# Altium PCB V1.PcbDoc
Units mm, origin at the board's own origin, x right, y up, seen from the top; angles counter-clockwise.
Board outline 95.29 x 70 mm, 2 copper layers (Top Layer, Bottom Layer); 21 components, 17 nets, 104 pads, 21 vias.
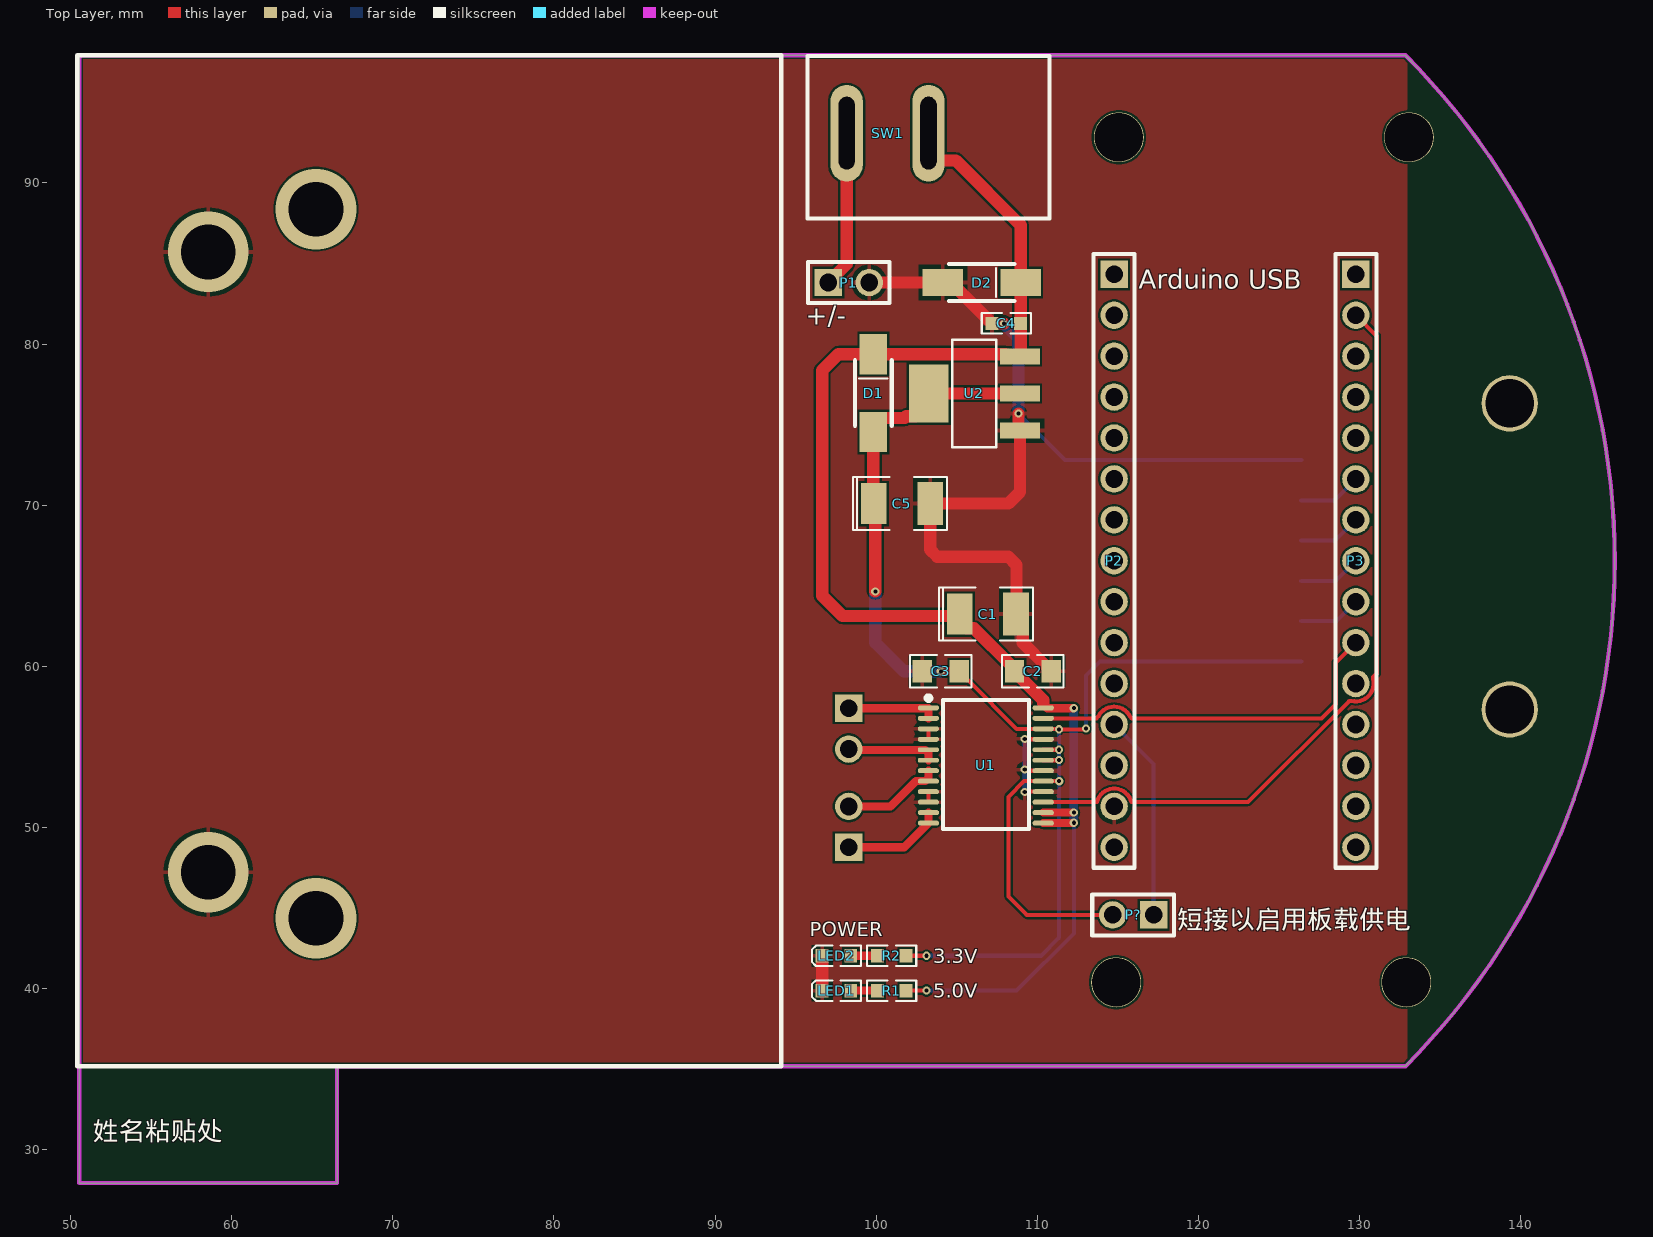
[diagram p0: Top Layer view]
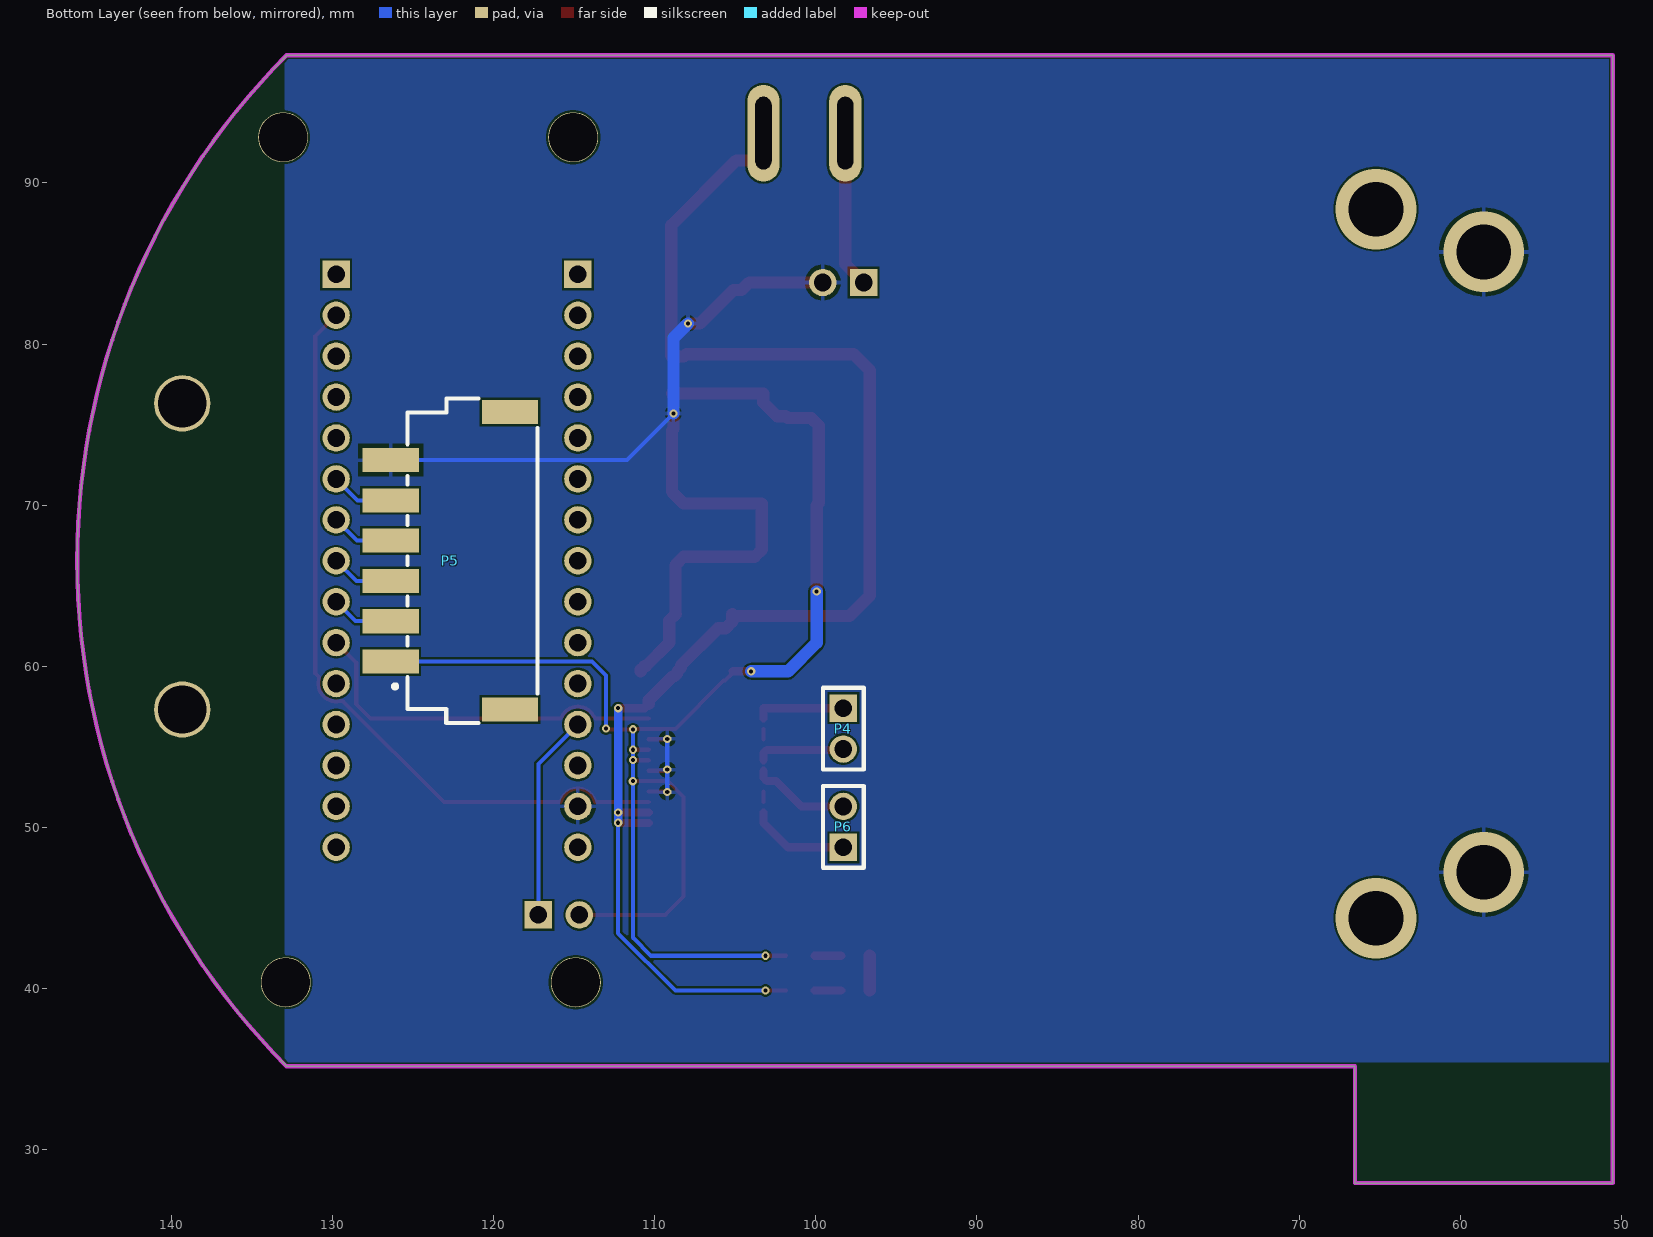
[diagram p1: Bottom Layer view, seen from below]
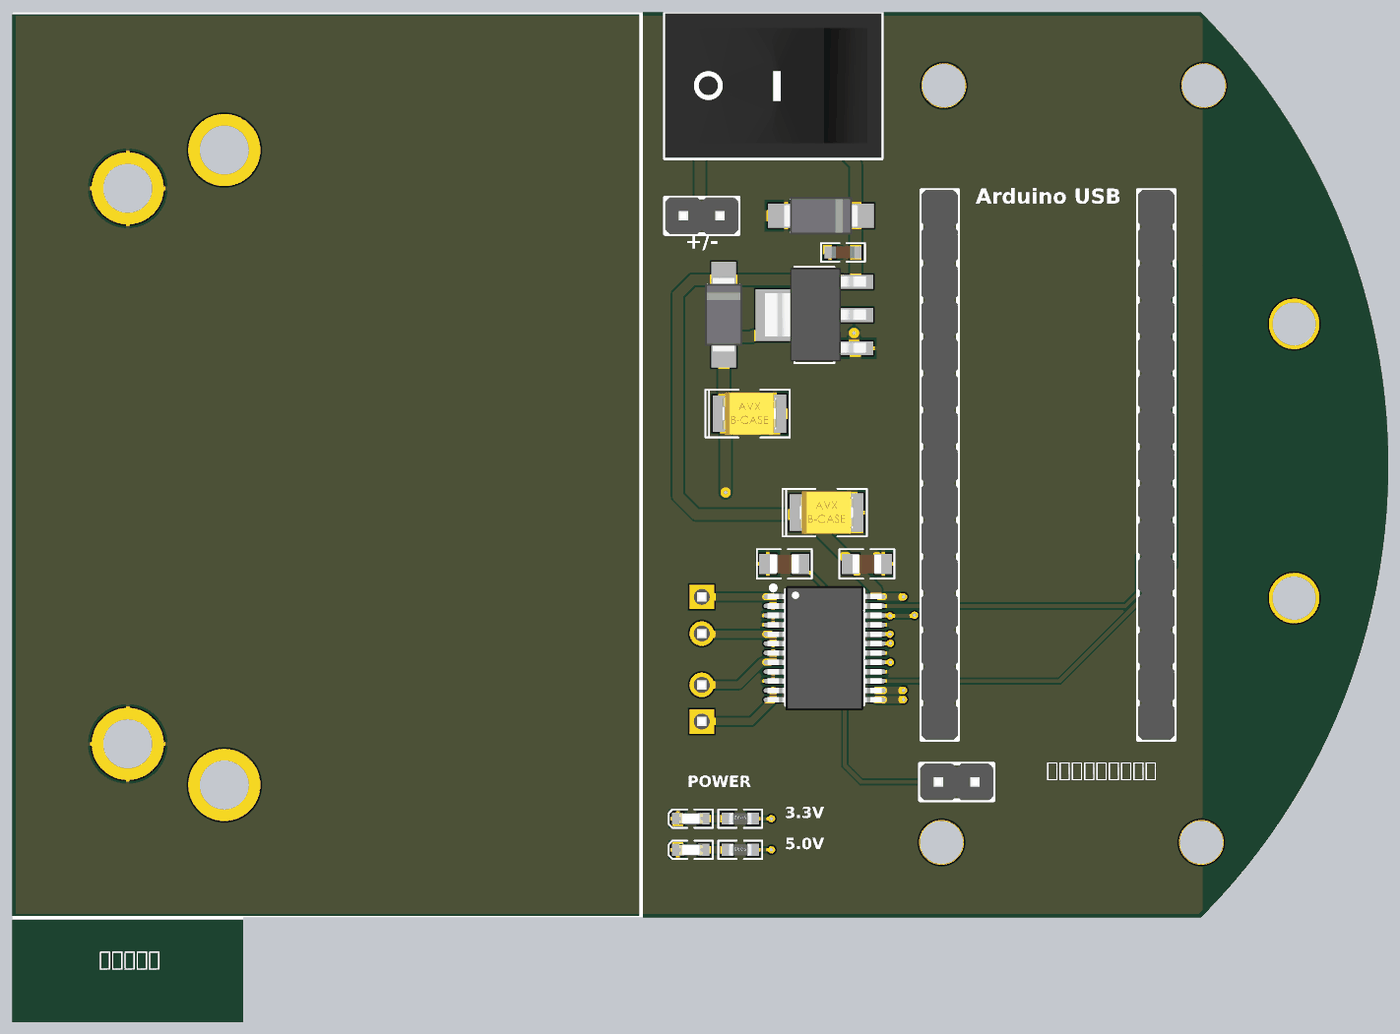
[diagram p2: 3D render of the assembled board from above, using the file's embedded part models]
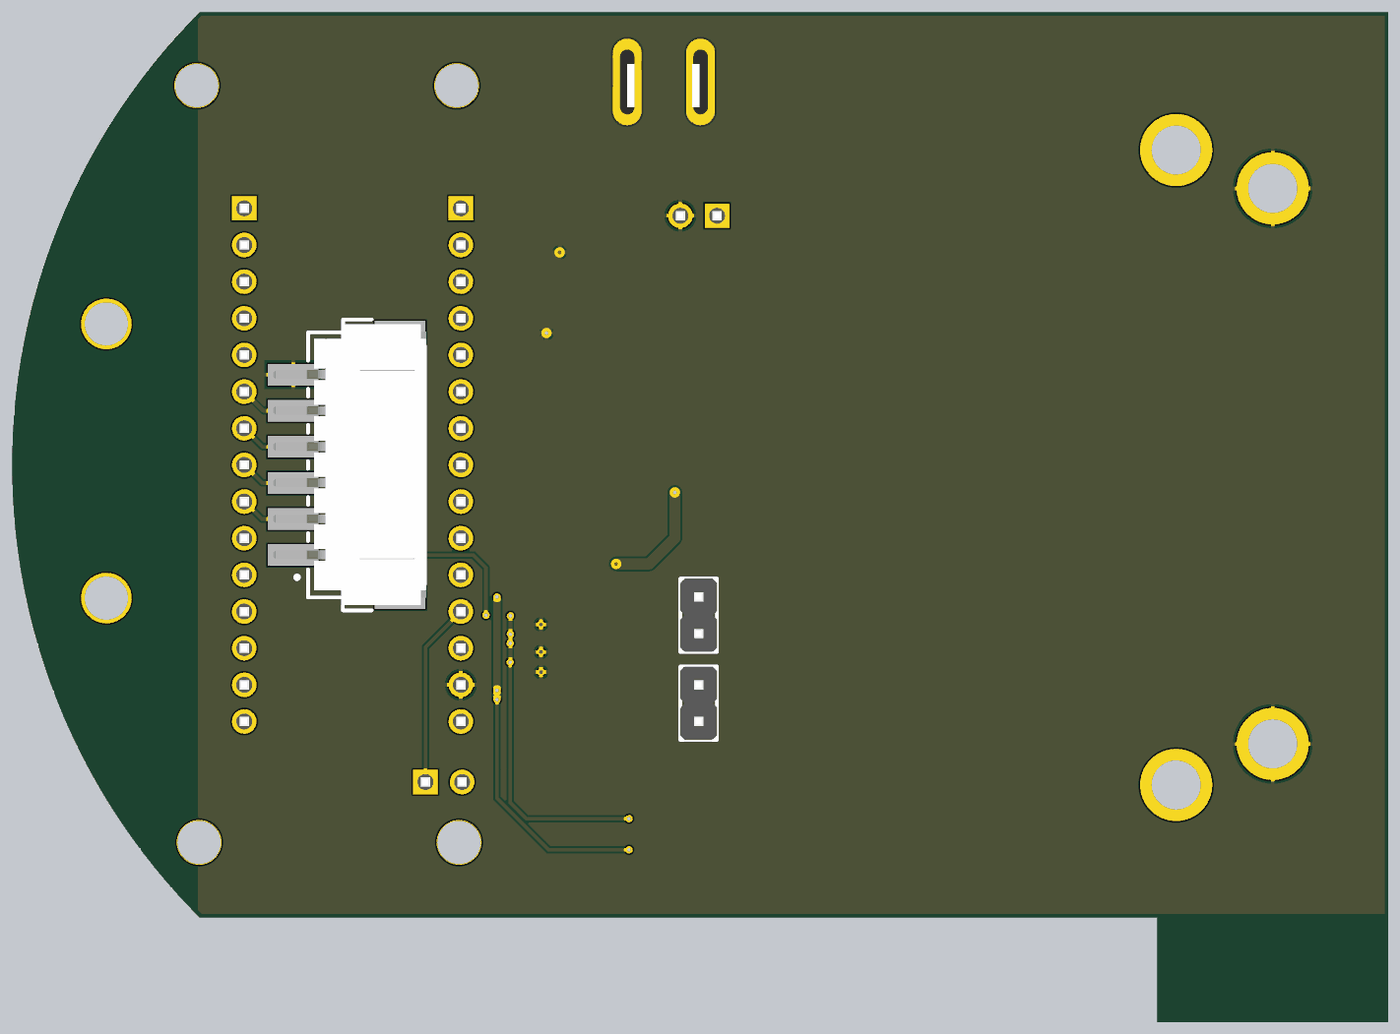
[diagram p3: 3D render of the assembled board from below, using the file's embedded part models]

## Layer stack, top to bottom
Top Solder: solder mask 0.0102, Solder Resist, Dk 3.5
Top Layer: signal copper 0.0356
Dielectric 1: dielectric 0.32, FR-4, Dk 4.8
Bottom Layer: signal copper 0.0356
Bottom Solder: solder mask 0.0102, Solder Resist, Dk 3.5

## Board outline
50.546,27.925 66.546,27.925 66.546,35.179 132.842,35.179 ccw(c101.469,66.552) 132.842,97.925 50.546,97.925

## Design rules (kind name [scope] priority, off if disabled: settings)
Clearance [All] p1: gap=0.127 ignorepadtopadclearanceinfootprint=FALSE
PolygonConnect [All] p1: connectstyle=Relief reliefconductorwidth=0.254 reliefentries=4 polygonreliefangle="90 Angle" airgapwidth=0.254
RoutingVias [All] p1: holewidth=0.254 width=0.508 viastyle="Through Hole" minholewidth=0.254 minwidth=0.508 maxholewidth=0.711 maxwidth=1.27
SolderMaskExpansion [All] p1: expansion=0.102 istentingtop=FALSE
Width [All] p1: maxlimit=0.762 minlimit=0.254 preferedwidth=0.254
30 further rules are at their usual default settings.

## Components (designator, comment, footprint, x,y, rotation, side; value= is the part's Value field where it differs from the comment)
C1 "10uF" 3528B/1210 106.934,63.246 r0 top
C2 "0.1uF" 0805C 109.728,59.69 r180 top
C3 "0.1uF" 0805C 104.013,59.69 r0 top
C4 "10uF" 0603C 108.077,81.28 r0 top
C5 "100uF" 3528B/1210 101.6,70.104 r0 top
D1 "SS34" SMA 99.822,76.962 r90 top
D2 "瞬态抑制二极管" SMA 106.553,83.82 r0 top
LED1 "LED" 0603D 97.536,39.878 r180 top
LED2 "LED" 0603D 97.536,42.037 r180 top
P1 "排针1*2" Pin-PB-M-1*2 98.298,83.82 r0 top
P2 "排母1*15" Pin-PB-F-1*15 114.769,66.552 r270 top
P3 "排母1*15" Pin-PB-F-1*15 129.769,66.552 r270 top
P4 "排针1*2" Pin-PB-M-1*2 98.298,56.134 r270 bottom
P5 "接插件1*6" XH2.54_AW_1*6 122.682,66.552 r90 bottom
P6 "排针1*2" Pin-PB-M-1*2 98.298,50.038 r90 bottom
P? "排针1*2" Pin-PB-M-1*2 115.951,44.577 r180 top
R1 "4K7" 0603R 100.965,39.878 r0 top
R2 "4K7" 0603R 100.965,42.037 r0 top
SW1 "开关" *SW-5.08mm 103.251,93.091 r0 top
U1 "TB6612" SSOP24 106.807,53.975 r0 top
U2 "AMS1117" SOT-223 106.172,76.962 r90 top

## Footprints (in the part's own frame and the unit in brackets; to place one, negate y for a bottom-side part, rotate by r counter-clockwise, add the part's x,y. Pads: shape width x height; smd on the part's side, far side on the other; paste and mask are expansions set on the pad)
0603C [mm] "0603锟斤拷装锟斤拷锟斤拷锟斤拷锟斤拷"
  rect 0.8x0.83 smd: 1(-0.889,0) 2(0.889,0)
  silkscreen extent -1.52,-0.64 1.52,0.64, body extent -0.8,-0.41 0.8,0.41, height 0.81
0603D [mm] "0603锟斤拷装锟斤拷LED锟斤拷"
  rect 0.8x0.83 smd: 1(-0.889,0) 2(0.889,0)
  silkscreen extent -1.52,-0.64 1.52,0.64, body extent -0.81,-0.4 0.81,0.4, height 0.6
0603R [mm] "0603锟斤拷装锟斤拷锟斤拷锟斤拷锟矫ｏ拷缺锟斤拷为锟斤拷锟斤拷锟斤拷锟斤拷/锟斤拷锟斤拷"
  rect 0.8x0.83 smd: 1(-0.889,0) 2(0.889,0)
  silkscreen extent -1.52,-0.64 1.52,0.64, body extent -0.8,-0.4 0.8,0.4, height 0.42
0805C [mm] "0805锟斤拷装锟斤拷锟斤拷锟斤拷锟斤拷"
  rect 1.2x1.4 smd: 1(-1.143,0) 2(1.143,0)
  silkscreen extent -1.91,-1.02 1.91,1.02, body extent -1,-0.65 1,0.64, height 1.28
3528B/1210 [mm] "1210锟斤拷装锟斤拷锟斤拷锟斤拷锟紹锟斤拷锟矫ｏ拷缺锟斤拷为锟斤拷锟斤拷锟斤拷锟斤拷/锟斤拷锟斤拷"
  rect 1.6x2.54 smd: 1(-1.75,0)
  rect 1.6x2.667 smd: 2(1.75,0)
  silkscreen extent -3.05,-1.65 2.79,1.65, body extent -1.85,-1.47 1.85,1.46, height 2.03
*SW-5.08mm [mm] "锟斤拷*专锟矫凤拷装锟斤拷锟斤拷锟斤拷锟斤拷5mm锟斤拷锟酵匡拷锟斤拷"
  oval 2x6 hole 1 slot 4.5 at 90 deg: 1(-5.08,0) 2(0,0)
  silkscreen extent -7.5,-5.3 7.5,4.8, body extent -7.5,-5.25 7.5,4.75, height 7.5
Pin-PB-F-1*15 [mm]
  rect 1.7x1.7 hole 1.1: 1(-17.78,0)
  round 1.7 hole 1.1: 2(-15.24,0) 3(-12.7,0) 4(-10.16,0) 5(-7.62,0) 6(-5.08,0) 7(-2.54,0) 8(0,0) 9(2.54,0) 10(5.08,0) 11(7.62,0) 12(10.16,0) 13(12.7,0) 14(15.24,0) 15(17.78,0)
  silkscreen extent -19.05,-1.27 19.05,1.27, body extent -19.05,-1.27 19.05,1.27, height 8.54
Pin-PB-M-1*2 [mm]
  rect 1.7x1.7 hole 1.1: 1(-1.27,0)
  round 1.7 hole 1.1: 2(1.27,0)
  silkscreen extent -2.54,-1.27 2.54,1.27, body extent -2.54,-1.27 2.54,1.27, height 8.54
SMA [mm] "锟斤拷锟斤拷锟斤拷肖锟截伙拷锟斤拷锟斤拷锟杰的凤拷装锟斤拷锟斤拷锟斤拷锟竭碉拷一锟斤拷为锟斤拷锟斤拷"
  rect 2.5x1.7 smd: 1(-2.413,0) 2(2.413,0)
  silkscreen extent -2.03,-1.14 2.03,1.14, body extent -2.6,-1.3 2.6,1.3, height 2.37
SOT-223 [mm]
  rect 0.98x2.47 smd: 1(-2.327,-2.757) 2(-0.027,-2.757) 3(2.273,-2.757)
  rect 3.6x2.47 smd: 4(-0.027,2.913)
  silkscreen extent -3.35,-1.29 3.3,1.45, body extent -3.25,-3.5 3.25,3.5, height 1.65
SSOP24 [mm]
  oval 1.324x0.308 smd: 1(-3.562,3.448) 2(-3.562,2.798) 3(-3.562,2.148) 4(-3.562,1.498) 5(-3.562,0.848) 6(-3.562,0.198) 7(-3.562,-0.452) 8(-3.562,-1.102) 9(-3.562,-1.752) 10(-3.562,-2.402) 11(-3.562,-3.052) 12(-3.562,-3.702) 13(3.562,-3.702) 14(3.562,-3.052) 15(3.562,-2.402) 16(3.562,-1.752) 17(3.562,-1.102) 18(3.562,-0.452) 19(3.562,0.198) 20(3.562,0.848) 21(3.562,1.498) 22(3.562,2.148) 23(3.562,2.798) 24(3.562,3.448)
  silkscreen extent -3.71,-4.06 2.67,4.2, body extent -3.95,-4.44 3.95,4.19, height 1.98
XH2.54_AW_1*6 [mm]
  rect 1.5x3.5 smd: 1(-6.25,3.7) 2(-3.75,3.7) 3(-1.25,3.7) 4(1.25,3.7) 5(3.75,3.7) 6(6.25,3.7) ""(-9.23,-3.7) ""(9.23,-3.7)
  silkscreen extent -10.08,-5.42 10.08,3.56, body extent -9.7,-5.53 9.75,5.07, height 5.95

## Part data
C1 C5: library part 电容_贴片钽
C2 C3 C4: library part 电容_贴片
D1: library part 二极管_肖特基
D2: library part 二极管_瞬态抑制
LED1 LED2: library part 二极管_贴片发光
P1 P4 P6 P?: library part 接插件1*2
P2 P3: library part 接插件1*15
R1 R2: library part 电阻_贴片
SW1: library part 开关_二脚
U1: library part 芯片/IC-电机驱动-TB6612
U2: library part 芯片/IC-线性稳压管-AMS1117

## Free pads (board coordinates)
  round 3.1 hole 3: 0(114.896,40.39) 0(115.062,92.837) 0(132.896,40.39) 0(133.062,92.837)
  round 3.5 hole 3: ""(139.319,57.322) ""(139.319,76.322)

## Via types
v1: diameter 0.508, hole 0.254, Top Layer to Bottom Layer, 17 vias
v2: diameter 5, hole 3.4, Top Layer to Bottom Layer, 4 vias

## Nets (pads, with @x,y where several pads share a name; then routed paths per layer and width w, separated by ;. In a path a pad name is that pad's centre, name@x,y a point inside that pad or via, vN(x,y) a via of type N, cw(c..) or ccw(c..) an arc to the next point about the centre after c; other vN are vias at no path point)
+3V3: C3.2 C5.1 D1.1 P5.1 P?.2 R2.2 U1.17 U1.19 U1.20 U1.22 U2.2 U2.4 | length 97.7
  Top Layer w0.254: R2.2 v1(103.124,42.037) ; C3.2 105.156,59.59 105.629,59.117 105.729,59.117 108.723,56.123 U1.22 111.307,56.123 v1(111.337,56.092) 112.988,56.092 v1(113.03,56.134) ; U1.19 111.342,54.173 v1(111.356,54.187) ; U1.20 v1(111.338,54.823) ; v1(111.357,52.873) U1.17 109.178,52.873 108.204,51.899 108.204,45.72 109.347,44.577 P?.2
  Top Layer w0.508: v1(104.013,59.69) C3.2
  Top Layer w0.762: v1(99.949,64.643) 99.949,70.005 C5.1 99.822,70.132 D1.1 99.822,74.949 100.291,75.418 101.769,75.418 101.867,75.516 102.405,75.516 103.259,76.37 U2.4 U2.2
  Bottom Layer w0.254: v1(103.124,42.037) 110.236,42.037 111.357,43.158 v1(111.357,52.873) 111.337,52.893 v1(111.337,56.092) ; v1(113.03,56.134) 113.03,59.436 113.896,60.302 P5.1
  Bottom Layer w0.762: v1(99.949,64.643) 99.949,61.468 101.727,59.69 v1(104.013,59.69)
+6V: C1.1 C2.2 C4.2 D1.2 D2.2 R1.2 SW1.2 U1.13 U1.14 U1.24 U2.3 | length 92.5
  Top Layer w0.254: R1.2 v1(103.124,39.878) ; 110.363,57.658 U1.24@110.617,57.404 ; v1@112.249,50.273 v1(112.268,50.292) ; v1@112.264,50.923 v1(112.268,50.927)
  Top Layer w0.508: U1.13 v1@112.249,50.273 ; U1.14 v1@112.264,50.923 ; U1.24@110.617,57.404 v1(112.268,57.404)
  Top Layer w0.762: SW1.2 103.251,91.966 103.823,91.394 104.948,91.394 108.966,87.376 D2.2 C4.2 108.966,79.273 U2.3 108.184,79.235 108.044,79.375 D1.2 97.663,79.375 96.647,78.359 96.647,64.389 97.917,63.119 105.057,63.119 C1.1 105.184,62.776 105.603,62.357 106.073,62.357 108.366,60.064 108.366,59.909 C2.2 108.585,59.59 108.804,59.371 108.904,59.371 110.363,57.912 110.363,57.658
  Bottom Layer w0.254: v1(103.124,39.878) 108.712,39.878 112.268,43.434 v1(112.268,50.292)
  Bottom Layer w0.508: v1(112.268,50.292) v1(112.268,50.927) v1(112.268,57.404)
AO1: P4.1 U1.1 U1.2 | length 5.6
  Top Layer w0.508: P4.1 103.226,57.404 U1.1 U1.2
  Top Layer w0.762: P4.1 P4.1@98.317,57.423
AO2: P4.2 U1.5 U1.6 | length 5.5
  Top Layer w0.508: P4.2 98.351,54.811 103.05,54.811 103.251,54.61 103.251,54.179 U1.6
BO1: P6.1 U1.11 U1.12 | length 6.2
  Top Layer w0.508: P6.1 101.74,48.768 U1.12 U1.11
BO2: P6.2 U1.7 U1.8 | length 6.1
  Top Layer w0.508: P6.2 100.886,51.308 102.463,52.885 103.05,52.885 103.251,53.086 103.245,53.092 U1.7
GND: C1.2 C2.1 C3.1 C4.1 C5.2 D2.1 LED1.2 LED2.2 P1.2 P2.14 P5.6 U1.3 U1.4 U1.9 U1.10 U1.16 U1.18 U1.21 U2.1 | length 71.4
  Top Layer w0.254: U1.10 U1.9 ; U1.4 U1.3 ; v1(109.22,52.197) 109.246,52.223 U1.16 ; v1(109.22,53.594) 109.289,53.594 109.36,53.523 U1.18 ; v1(109.22,55.499) 109.246,55.473 U1.21
  Top Layer w0.762: LED1.2 LED2.2 ; P1.2 D2.1 104.609,83.351 105.117,83.351 107.154,81.314 107.169,81.314 107.188,81.295 C4.1 v1(107.931,81.28) ; v1(108.839,75.692) 108.839,74.725 U2.1 108.929,70.829 108.204,70.104 C5.2 103.35,67.248 103.796,66.802 108.204,66.802 108.712,66.294 108.712,63.274 C1.2 109.103,62.827 109.103,61.458 110.552,60.009 110.652,60.009 110.871,59.79 C2.1
  Bottom Layer w0.254: v1(108.839,75.692) 111.729,72.802 P5.6 ; v1(109.22,52.197) v1(109.22,53.594) v1(109.22,55.499)
  Bottom Layer w0.762: v1(107.931,81.28) 108.839,80.372 v1(108.839,75.692)
  other v2: 58.547,47.217 58.547,85.717
NetLED1_1: LED1.1 R1.1 | length 1.7
  Top Layer w0.508: LED1.1 R1.1
NetLED2_1: LED2.1 R2.1 | length 1.7
  Top Layer w0.508: LED2.1 R2.1
NetP1_1: P1.1 SW1.1 | length 9.7
  Top Layer w0.762: P1.1 98.171,84.963 SW1.1
NetP2_12: P2.12 P?.1 | length 12.8
  Bottom Layer w0.254: P2.12 117.221,53.94 P?.1
OUT1: P3.6 P5.5 | length 3.9
  Bottom Layer w0.254: P5.5 128.439,70.302 P3.6
OUT2: P3.7 P5.4 | length 3.9
  Bottom Layer w0.254: P5.4 128.479,67.802 P3.7
OUT3: P3.8 P5.3 | length 3.9
  Bottom Layer w0.254: P5.3 128.519,65.302 P3.8
OUT4: P3.9 P5.2 | length 3.9
  Bottom Layer w0.254: P5.2 128.559,62.802 P3.9
PWMA: P3.10 U1.23 | length 23.4
  Top Layer w0.254: U1.23 113.674,56.773 113.748,56.847 113.777,56.876 cw(c114.769,56.392) 115.761,56.876 115.79,56.847 115.864,56.773 127.639,56.773 128.524,57.658 128.524,60.227 P3.10
PWMB: P3.2 U1.15 | length 48
  Top Layer w0.254: U1.15 113.696,51.573 cw(c114.769,51.312) 115.842,51.573 123.074,51.573 129.363,57.862 129.468,57.862 129.498,57.862 ccw(c129.769,58.932) 130.839,59.203 130.839,59.233 130.839,59.338 131.064,59.563 131.064,80.497 P3.2
pads on no net: P2.1 P2.2 P2.3 P2.4 P2.5 P2.6 P2.7 P2.8 P2.9 P2.10 P2.11 P2.13 P2.15 P3.1 P3.3 P3.4 P3.5 P3.11 P3.12 P3.13 P3.14 P3.15 P5.
copper on no net:
  other v2: 65.234,44.373 65.234,88.373

## Polygon pours and split planes (outlines as drawn)
GND on Top Layer "Top Layer-No Net" (solid, remove dead copper, pour order 0): 50.546,97.798 132.969,97.798 132.973,35.056 50.546,35.052
GND on Bottom Layer "Top Layer-No Net" (solid, remove dead copper, pour order 1): 50.546,97.798 132.969,97.798 132.973,35.056 50.546,35.052

## Keep-outs
Keep-Out Layer:
  the board outline again, w0.254

## Silkscreen, mask and mechanical layers (free items; w line width, h text height)
Top Overlay:
  lines w0.254: 50.419,35.179 94.107,35.179 94.107,97.925 50.419,97.925 50.419,35.179
  text "Arduino USB" at 116.304,83.026 h2.03
  text "+/-" at 95.631,80.804 h2.03
  text "短接以启用板载供电" at 118.689,43.307 h2.03
  text "POWER" at 95.885,42.928 h1.52
  text "3.3V" at 103.537,41.276 h1.52
  text "5.0V" at 103.537,39.117 h1.52
  text "姓名粘贴处" at 51.379,30.194 h2.03